# KiCad board yeti.kicad_pcb (continued)
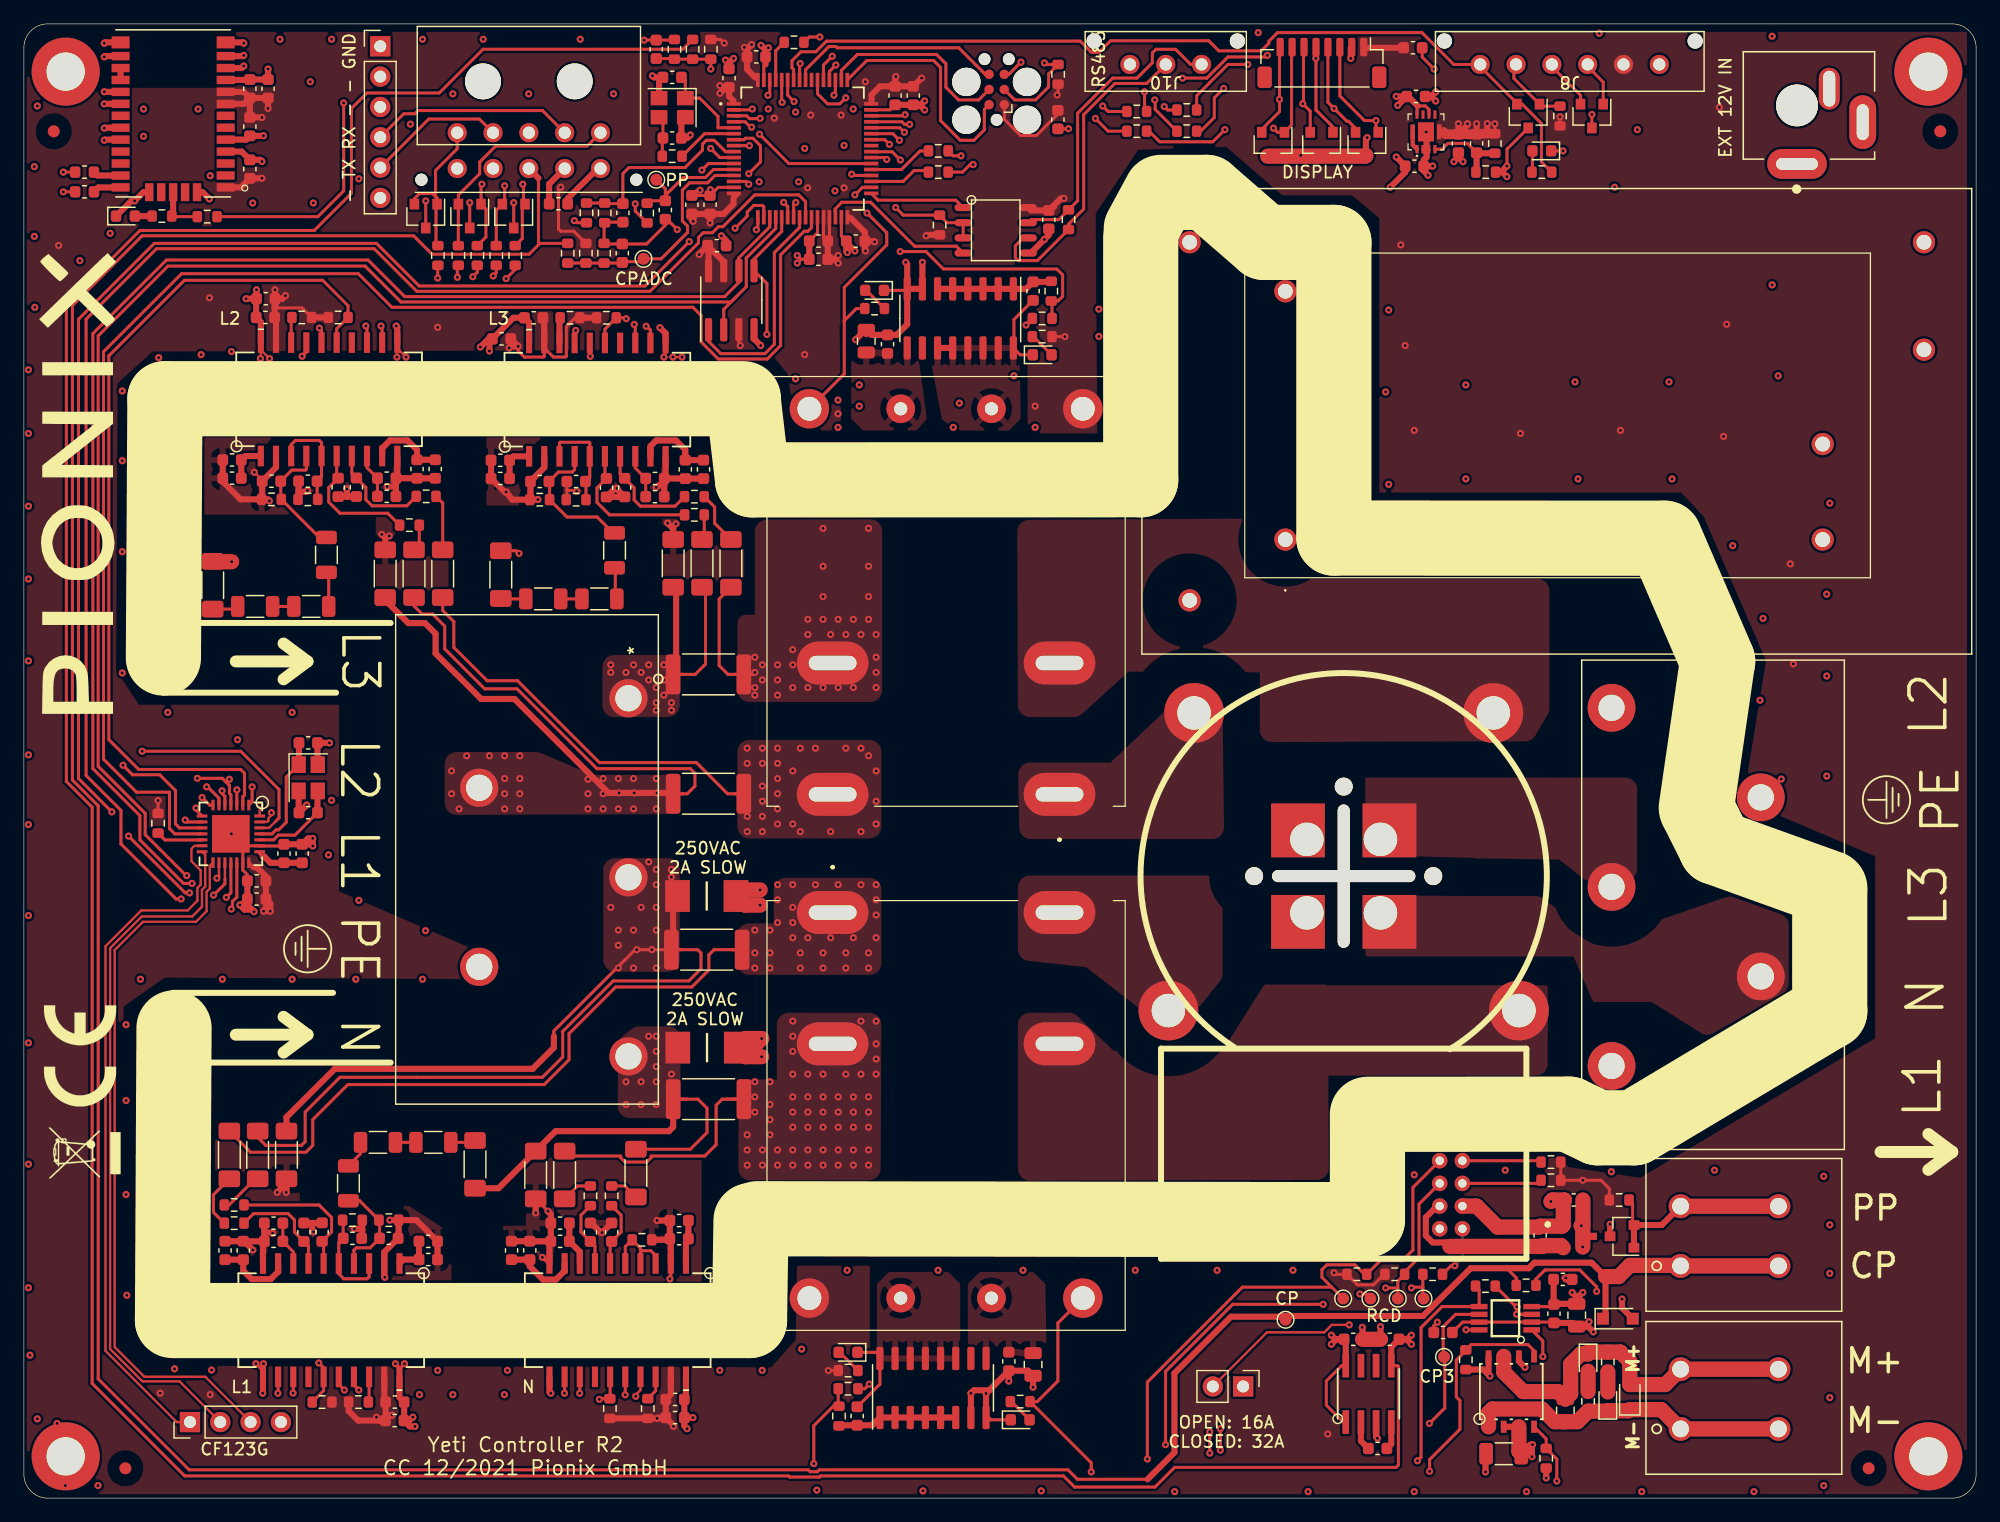
[diagram p0: board, top side]
## Routing (per net, layer and track width the routed paths; a pad name or vN(x,y) marks a point on that pad's centre or on a via; arc(x,y) is an arc through that point) (continued)
/CAM-M8Q/1PPS: length 4.2
  1_F_TOP_Signal_Pwr w0.254: R13.2 12.43,107.35 R16.2
  1_F_TOP_Signal_Pwr w0.508: R13.2 12.5,107.52 U4.29
/CAM-M8Q/RF: length 1
  1_F_TOP_Signal_Pwr w0.508: U4.17 U4.16
/CAM-M8Q/RXD: length 68.6
  1_F_TOP_Signal_Pwr w0.254: v1(63.63,108.54) 63.97,108.2 U16.22 ; FB16.2 v1(3.3,109.43)
  7_Signal_Pwr w0.254: v1(63.63,108.54) 60.56,108.54 57.38,111.72 57.19,111.72 56.68,112.22 56.01,112.22 52.46,115.78 35.89,115.78 30.41,110.29 29.49,110.29 28.62,109.43 16.41,109.43 16.03,109.81 3.68,109.81 v1(3.3,109.43)
/CAM-M8Q/TXD: length 69.5
  1_F_TOP_Signal_Pwr w0.254: FB17.1 v1(3.3,111.08) ; v1(64.64,108.54) 64.47,108.36 U16.23
  7_Signal_Pwr w0.254: v1(3.3,111.08) 4.85,112.63 31.78,112.63 36.01,116.86 52,116.86 56.2,112.67 56.87,112.67 57.38,112.16 61.02,112.16 v1(64.64,108.54)
/CP_EVSE: length 304.8
  1_F_TOP_Signal_Pwr w0.254: 43.1,104.99 43.22,105.11 R74.2 ; 43.1,104.99 43.1,110.58 ; 43.1,104.99 42.31,104.2 34.18,104.2 32.64,105.75 9.9,105.75 4.06,99.91 4.06,60.16 6.22,58 6.22,9.99 13.84,2.37 65.7,2.37 65.85,2.21 66.45,2.21 66.61,2.37 87.44,2.37 88.23,1.58 94.11,1.58 ; TP1.1 105.41,15.2 ; 124.18,19.26 124.98,18.46 R72.1
  1_F_TOP_Signal_Pwr w0.508: D14.1 132.46,15.25 132.46,18.56 131.3,19.72 126.51,19.72 126.05,19.26 121.17,19.26 117.17,15.26 105.47,15.26 105.41,15.2 101.09,15.2 96.36,10.47 96.36,3.83 94.11,1.58 ; 43.1,110.58 U1.3
  1_F_TOP_Signal_Pwr w1.27: J2.2 J2.1 138.71,19.5 134.49,19.5 133.56,18.56 132.46,18.56
/Display/DISPLAY_DC: length 29.1
  1_F_TOP_Signal_Pwr w0.254: v1(94.71,117.13) 94.75,117.09 94.75,116.33 96.57,114.51 ; v1(73.75,114.42) 73.37,114.8 U16.44
  5_Signal_Pwr w0.254: v1(94.71,117.13) 92.19,117.13 88.63,113.57 74.59,113.57 v1(73.75,114.42)
/Display/DISPLAY_RESET: length 23
  1_F_TOP_Signal_Pwr w0.254: R11.2 90.81,114.51 v1(89.74,115.57) ; v1(74.18,115.08) 73.76,115.08 73.54,115.3 U16.45
  5_Signal_Pwr w0.254: v1(74.18,115.08) 75.16,114.1 88.27,114.1 v1(89.74,115.57)
/Display/GPIO: length 27.8
  1_F_TOP_Signal_Pwr w0.254: U16.43 72.78,114.3 v1(73.33,113.75) ; 96.57,116.29 95.79,116.29 v1(95.5,116.58)
  5_Signal_Pwr w0.254: v1(73.33,113.75) 74.01,113.07 88.88,113.07 92.33,116.51 95.44,116.51 v1(95.5,116.58) 95.5,116.51 95.49,116.5
/Display/SPI_CS: length 22.4
  1_F_TOP_Signal_Pwr w0.254: v1(73.81,115.89) 73.71,115.8 U16.46 ; v1(90.35,116.62) 90.81,116.16 R12.2
  5_Signal_Pwr w0.254: v1(90.35,116.62) 90.04,116.92 77,116.92 75.74,115.67 74.41,115.67 74.19,115.89 v1(73.81,115.89)
/Display/SPI_MOSI: length 5.4
  1_F_TOP_Signal_Pwr w0.254: U16.37 73.5,111.3 75.06,112.86 R8.2
/Display/SPI_SCK: length 5.2
  1_F_TOP_Signal_Pwr w0.254: U16.35 73.64,110.3 74.55,111.21 75.63,111.21 R7.2
/EVSE Charging port/CP_3V3: length 280.2
  1_F_TOP_Signal_Pwr w0.254: v1(60.76,113.3) U16.8 ; v1(117.71,6.26) 119,7.54 119,11.77 TP5.1 118.86,11.91 118.86,14.35 119.9,15.4 121.88,15.4
  5_Signal_Pwr w0.254: v1(60.76,113.3) 59.06,111.6 59.06,107.5 56.42,104.86 56.2,104.86 55.57,104.22 35.43,104.22 33.13,101.93 11.26,101.93 5.6,96.27 5.6,11.47 12.24,4.83 61.96,4.83 64.26,7.13 94.01,7.13 96.23,4.91 100.62,4.91 102.01,6.31 117.67,6.31 v1(117.71,6.26)
/EVSE Charging port/CP_ENABLE: length 295.8
  1_F_TOP_Signal_Pwr w0.254: U16.62 62.47,117.67 v1(62.32,117.52) ; R71.1 121.88,17.46 U15.5 118.77,16.04 117.01,14.29 117.01,3.43 v1(116.71,3.13)
  5_Signal_Pwr w0.254: v1(116.71,3.13) 116.06,2.48 94.97,2.48 94.64,2.15 91.58,2.15 89.28,4.45 65.37,4.45 63.07,2.15 11.13,2.15 2.93,10.36 2.93,97.38 10.15,104.6 30.86,104.6 33.66,107.4 44.45,107.4 45.47,108.41 50.42,108.41 50.61,108.61 50.61,108.74 50.98,109.1 51.1,109.1 53.59,111.59 53.59,114 56.52,116.92 59.82,116.92 60.41,117.52 v1(62.32,117.52)
/EVSE Charging port/CP_OUT_ADC: length 19.4
  1_F_TOP_Signal_Pwr w0.254: U16.13 57.88,110.8 57.27,110.18 55.76,110.18 55.15,109.58 55.15,106.99 55.58,106.56 55.58,106.03 53.37,103.82 TP6.1 ; 50.07,103.46 45.54,103.46 ; 51.89,103.58 50.18,103.58
/EVSE Charging port/EVSE_PP: length 310.5
  1_F_TOP_Signal_Pwr w0.254: R77.2 134.73,24.67 134.73,22.88 ; R113.1 51.2,107.82 v1(51.2,108.43)
  1_F_TOP_Signal_Pwr w0.508: 134.73,22.88 137.18,22.88 J2.3 ; 134.84,21.09 D8.2
  1_F_TOP_Signal_Pwr w1.27: J2.4 J2.3
  5_Signal_Pwr w0.254: J2.3 132.97,18.67 132.97,13.8 123.19,4.02 116.49,4.02 115.42,2.95 96.45,2.95 96.43,2.92 94.78,2.92 94.45,2.59 91.77,2.59 89.46,4.9 65.19,4.9 62.89,2.6 11.32,2.6 3.37,10.54 3.37,97.19 10.33,104.16 31.3,104.16 33.91,106.76 44.96,106.76 46.11,107.91 50.69,107.91 v1(51.2,108.43)
/EVSE Charging port/L1_IN: length 1.3
  5_Signal_Pwr w0.254: U29.10 107.45,48.45 106.94,47.93
/EVSE Charging port/PP_3V3: length 10.8
  1_F_TOP_Signal_Pwr w0.254: C89.1 52.4,108.68 R113.2 ; C89.1 53.72,109.69 TP7.1 ; C89.1 53.72,109.13 55.22,110.63 57.08,110.63 57.75,111.3 U16.12
/Hi Level Connector/SLEEP: length 32.5
  1_F_TOP_Signal_Pwr w0.254: v1(59.56,106.38) 60.58,107.4 60.58,107.74 61.13,108.29 61.85,108.29 61.97,108.17 U16.18 ; v1(34.66,102.21) 34.66,103.26 R6.2
  5_Signal_Pwr w0.254: v1(59.56,106.38) 59.56,105.94 57.06,103.43 56.2,103.43 55.94,103.69 36.14,103.69 v1(34.66,102.21)
/Low Level Controller/ADC_12V: length 16.7
  1_F_TOP_Signal_Pwr w0.254: R87.1 R86.2 ; 48.69,108.44 C81.1 50.17,110.95 50.67,111.46 55.37,111.46 56.83,112.92 56.83,113.43 57.16,113.75 57.81,113.75 58.76,112.8 U16.9
/Low Level Controller/ADC_N12V: length 14.3
  1_F_TOP_Signal_Pwr w0.254: C82.1 54.43,120.59 R92.1 R90.1 R91.2 v1(57.53,119.72) ; v1(57.52,113.07) 58.28,112.3 U16.10
  7_Signal_Pwr w0.254: v1(57.53,119.72) 57.53,113.08 v1(57.52,113.07)
/Low Level Controller/CFG: length 220.2
  1_F_TOP_Signal_Pwr w0.192: v1(111,14.51) 109.54,14.51 108.91,13.89 104.11,13.89 J11.2
  1_F_TOP_Signal_Pwr w0.254: v1(73.41,112.1) 72.72,112.79 70.98,112.79 U16.40
  5_Signal_Pwr w0.254: v1(111,14.51) 111.55,15.07 116.32,15.07 118.27,17.02 125.66,17.02 131.08,22.44 131.45,22.44 133.1,24.09 135.76,24.09 139.83,28.15 157.74,28.15 157.99,28.41 157.99,77.68 126.49,109.18 113.54,109.18 111.25,111.46 104.14,111.46 101.73,113.88 92.08,113.88 88.39,110.19 75.31,110.19 v1(73.41,112.1)
/Low Level Controller/FRAM_CS: length 18.8
  1_F_TOP_Signal_Pwr w0.254: U16.24 64.97,106.45 62.85,104.33 62.85,96.66 62.07,95.87 58.37,95.87 57.34,96.9 U3.1
/Low Level Controller/GPIO1: length 74.8
  1_F_TOP_Signal_Pwr w0.254: 121.79,120.1 125.03,116.85 D9.2 125.47,116.78 127.1,115.16 127.1,111.94 R93.2 ; J8.1 119.75,120.1 117.09,122.77 104.99,122.77 104.27,122.04 104.27,121.88 103.63,121.24 100.08,121.24 99.23,122.09 91.02,122.09 90.04,121.12 89.41,121.12 88.47,122.05 67.22,122.05 66.33,121.16 65.08,121.16 64.33,120.41 64.33,119.82 64.47,119.68 U16.58
/Low Level Controller/GPIO2: length 69.1
  1_F_TOP_Signal_Pwr w0.254: R1.2 127.11,116.61 D9.1 124.79,118.93 124.79,120.1 ; v1(72.49,113.41) 72.1,113.8 U16.42 ; v1(104.14,120.86) 104.01,120.73 100.84,120.73 99.07,118.96 v1(97.03,118.96)
  5_Signal_Pwr w0.254: v1(104.14,120.86) 104.52,121.24 111.38,121.24 111.4,121.22 123.85,121.22 J8.2
  7_Signal_Pwr w0.254: v1(72.49,113.41) 72.94,112.95 75.95,112.95 77.33,114.34 77.33,119.26 79.42,121.36 88.09,121.36 90.49,118.96 v1(97.03,118.96)
/Low Level Controller/GPIO3: length 69.6
  1_F_TOP_Signal_Pwr w0.254: v1(67.7,120.79) 66.97,120.05 U16.53 ; 127.79,120.1 130.37,117.52 D16.2
  5_Signal_Pwr w0.254: J8.3 126.76,118.89 106.28,118.89 106.02,119.16 102.54,119.16 100.46,121.24 88.39,121.24 87.25,122.39 69.3,122.39 v1(67.7,120.79)
/Low Level Controller/GPIO4: length 71.5
  1_F_TOP_Signal_Pwr w0.254: v1(68,120.05) 67.47,119.52 U16.52 ; D16.1 132.27,118.62 130.79,120.1
  5_Signal_Pwr w0.254: J8.4 129.58,118.72 129.05,118.72 128.78,118.45 106.1,118.45 105.83,118.71 97.66,118.71 97.29,118.34 96.77,118.34 96.65,118.46 90.54,118.46 87.2,121.8 69.75,121.8 v1(68,120.05)
/Low Level Controller/LOCK_F: length 301.6
  1_F_TOP_Signal_Pwr w0.254: v1(128.38,1.43) 128.38,3.27 127.49,4.16 127.49,4.96 U25.4 ; U16.59 63.97,117.53 v1(64.5,117)
  5_Signal_Pwr w0.254: v1(128.38,1.43) 128.02,1.07 127.24,1.07 127.05,1.25 91.21,1.25 88.91,3.56 65.74,3.56 63.44,1.26 10.76,1.26 2.03,9.99 2.03,97.75 9.78,105.49 29.89,105.49 29.89,106.03 33.27,109.41 33.81,109.41 35.17,110.78 35.17,111.85 36.19,112.86 49.4,112.86 57.12,120.58 57.75,120.58 58.79,119.54 61.87,119.54 64.44,116.97 64.47,116.97 v1(64.5,117)
/Low Level Controller/LOCK_R: length 300.2
  1_F_TOP_Signal_Pwr w0.254: v1(117.73,2.24) 117.73,3.23 120.27,5.77 120.27,8.18 119.97,8.48 119.97,11.56 120.76,12.35 R99.1 121.21,12.86 125.97,12.86 126.48,12.35 U25.5 ; v1(63.5,116.92) 63.47,116.96 U16.60
  5_Signal_Pwr w0.254: v1(63.5,116.92) 63.5,117.27 61.69,119.08 57.28,119.08 52.83,114.64 52.83,113.33 48.55,109.05 45.34,109.05 44.2,107.91 33.4,107.91 30.54,105.05 9.96,105.05 2.48,97.56 2.48,10.17 10.95,1.71 63.26,1.71 65.56,4 89.09,4 91.4,1.7 96.4,1.7 96.73,2.03 117.09,2.03 117.31,2.24 v1(117.73,2.24)
/Low Level Controller/METER_CS: length 126.8
  1_F_TOP_Signal_Pwr w0.2: U10.16 16.34,52.11
  1_F_TOP_Signal_Pwr w0.254: v1(16.16,51.93) 16.16,51.93 16.34,52.11 ; v1(13.17,50.19) 12.74,50.19 8.13,54.81 8.13,57.61 5.21,60.54 5.21,98.76 11.11,104.67 29.34,104.67 32.91,101.1 52.44,101.1 56.5,105.15 56.5,105.61 56.89,106 57.66,106 58.17,106.51 58.55,106.51 61.22,109.18 64.9,109.18 65.47,108.61 U16.25
  7_Signal_Pwr w0.254: v1(16.16,51.93) 14.12,49.89 13.47,49.89 v1(13.17,50.19)
/Low Level Controller/MIRROR_L1: length 285.4
  1_F_TOP_Signal_Pwr w0.254: v1(89.39,2.19) 89.39,2.96 R32.2 84.87,8.09 86.6,9.81 86.6,14.67 K2.6 ; v1(68.84,117.31) 68.33,116.8 67.31,116.8 66.47,117.64 U16.54
  5_Signal_Pwr w0.254: v1(68.84,117.31) 68.84,117.9 64.14,122.59 57.48,122.59 51.76,116.86 36.49,116.86 31.02,111.39 31.02,110.9 30.41,110.29 29.49,110.29 25.7,106.51 9.02,106.51 1.13,98.62 1.13,9.37 10.13,0.37 64.32,0.37 66.15,2.19 v1(89.39,2.19)
/Low Level Controller/MIRROR_L2L3: length 25.6
  1_F_TOP_Signal_Pwr w0.254: U16.34 70.22,109.8 v1(69.6,109.18) ; K1.6 68.71,94.18 68.71,98.51 ; 68.71,98.51 68.71,101.43 72.26,104.99 72.26,106 v1(70.61,107.65) ; 68.71,98.51 68.71,98.64 69.72,99.65 R31.2
  5_Signal_Pwr w0.254: v1(69.6,109.18) 70.61,108.16 v1(70.61,107.65)
/Low Level Controller/NRESET: length 74.8
  1_F_TOP_Signal_Pwr w0.254: R3.2 36.31,103.19 v1(36.31,102.27) ; J13.3 82.98,117.13 84.73,117.13 85.82,118.22 85.82,119.3 R83.1 85.6,120.1 v1(85.47,120.23) ; v1(60.71,110.95) 61.69,111.94 61.69,113.29 61.06,113.92 60.44,113.92 60.32,113.8 U16.7
  5_Signal_Pwr w0.254: v1(85.47,120.23) 84.96,120.23 83.83,121.36 76.57,121.36 70.23,115.02 64.77,115.02 v1(60.71,110.95) 59.94,110.19 59.94,109.94 60.2,109.69 60.2,105.94 57.24,102.98 41.14,102.98 40.88,103.24 37.28,103.24 v1(36.31,102.27)
/Low Level Controller/PM_IRQ0: length 123.6
  1_F_TOP_Signal_Pwr w0.254: U16.11 57.33,111.8 v1(56.78,111.25) ; v1(7.37,57.49) 4.57,60.28 4.57,98.76 10.93,105.11 29.53,105.11 33.1,101.54 52.01,101.54 v1(55.73,105.26) ; U10.10 13.03,56.15 12.7,56.47 12.7,59.27 11.37,60.6 9.1,60.6 v1(8.3,61.39)
  7_Signal_Pwr w0.254: v1(8.3,61.39) 7.37,60.46 v1(7.37,57.49) ; v1(55.73,105.26) 55.41,105.57 55.41,109.88 v1(56.78,111.25)
/Low Level Controller/PM_IRQ1: length 122.9
  1_F_TOP_Signal_Pwr w0.254: U10.11 12.64,55.65 12.19,56.09 12.19,59.14 9.43,59.14 6.67,61.9 6.67,96.03 13.21,102.57 28,102.57 30.82,99.76 56.03,99.76 56.72,99.06 56.72,96.86 58.15,95.43 62.25,95.43 63.37,96.55 63.37,104.15 65.36,106.13 65.66,106.13 65.97,106.43 U16.26
/Low Level Controller/POWER_SWITCH_L1: length 245.6
  1_F_TOP_Signal_Pwr w0.254: v1(67.84,117.53) 67.97,117.66 U16.51 ; v1(66.15,2.89) 66.15,6.07 67.79,7.7 R27.2 68.2,7.77 R29.1
  5_Signal_Pwr w0.254: v1(66.15,2.89) 64.07,0.81 10.45,0.81 1.57,9.69 1.57,98.18 9.4,106 28.66,106 32,109.35 32,111.75 36.29,116.03 51.56,116.03 56.8,121.27 59.72,121.27 60.2,120.8 65.31,120.8 67.84,118.27 v1(67.84,117.53)
/Low Level Controller/POWER_SWITCH_L2L3: length 28.4
  1_F_TOP_Signal_Pwr w0.254: U16.39 72.1,112.3 v1(72.26,112.14) ; R114.1 86.11,100.22 R28.2 86.62,100.29 87,100.67 87,102.48 86.5,102.97 77.01,102.97 75.55,104.43 v1(73.39,104.43)
  5_Signal_Pwr w0.254: v1(72.26,112.14) 72.26,105.56 v1(73.39,104.43)
/Low Level Controller/SWCLK: length 16.8
  1_F_TOP_Signal_Pwr w0.254: U16.50 68.47,119.6 69.8,120.94 76.44,120.94 77.22,120.16 77.22,118.19 78.27,117.13 79.97,117.13 J13.4
/Low Level Controller/SWDIO: length 20.2
  1_F_TOP_Signal_Pwr w0.254: U16.49 70.6,120.43 76.19,120.43 76.77,119.84 76.77,115.39 78.42,113.75 79.57,113.75 80.44,114.63 80.44,116.34 J13.2
/Low Level Controller/SWO: length 18
  1_F_TOP_Signal_Pwr w0.254: J13.6 80.52,119.27 78.3,121.5 68.11,121.5 68,121.61 67.42,121.61 65.47,119.65 U16.56
/Low Level Controller/UART2_RX: length 25.9
  1_F_TOP_Signal_Pwr w0.254: R4.2 41.15,102.93 v1(40.38,102.16) ; v1(61.34,106.26) 61.47,106.38 U16.17
  5_Signal_Pwr w0.254: v1(40.38,102.16) 40.68,101.86 57.71,101.86 61.34,105.49 v1(61.34,106.26)
/Low Level Controller/UART2_TX: length 29.7
  1_F_TOP_Signal_Pwr w0.254: v1(60.71,110.07) 60.47,110.3 U16.14 ; v1(39.31,102.38) 39.56,102.64 R5.2
  5_Signal_Pwr w0.254: v1(39.31,102.38) 39.72,102.8 40.7,102.8 40.96,102.54 57.62,102.54 60.71,105.62 v1(60.71,110.07)
/Low Level Controller/UART3_DE: length 14
  1_F_TOP_Signal_Pwr w0.254: U20.3 U20.2 77.33,106.84 R81.1 73.65,107.48 v1(73.01,108.11) ; v1(69.33,110.91) 69.43,110.8 U16.36
  7_Signal_Pwr w0.254: v1(69.33,110.91) 70.22,110.91 v1(73.01,108.11)
/Low Level Controller/UART3_RX: length 8.2
  1_F_TOP_Signal_Pwr w0.254: U16.33 71.53,108.73 78.05,108.73 U20.1
/Low Level Controller/UART3_TX: length 13
  1_F_TOP_Signal_Pwr w0.254: U20.4 78.09,104.88 74.6,104.88 70.91,108.56 68.5,108.56 67.94,107.99 67.94,107.74
/MISO: length 123.9
  1_F_TOP_Signal_Pwr w0.254: 59.63,100.6 60.5,101.48 60.5,103.89 62.97,106.36 U16.20 ; 59.63,100.6 58.61,99.59 U3.2 ; 59.63,100.6 59.23,100.2 31.58,100.2 28.58,103.21 12.07,103.21 6.22,97.36 6.22,61.3 10.16,57.36 10.16,55.58 13.59,52.15 v1(13.64,52.15) ; v1(16.95,50.33) 17.34,50.71 U10.18
  5_Signal_Pwr w0.254: v1(13.64,52.15) 15,52.15 15.84,51.31 15.97,51.31 v1(16.95,50.33)
/MOSI: length 126.5
  1_F_TOP_Signal_Pwr w0.254: U16.21 63.47,106.11 61.15,103.8 U3.5 62.23,101.75 v1(62.23,97.48) ; v1(8.76,55.46) 13.52,50.7 v1(13.87,50.7) ; v1(17.37,49.35) 17.47,49.45 17.47,49.98 17.84,50.35 U10.19
  5_Signal_Pwr w0.254: v1(13.87,50.7) 15.22,49.35 v1(17.37,49.35)
  7_Signal_Pwr w0.254: v1(62.23,97.48) 54.71,97.48 51.61,100.59 27.61,100.59 27.52,100.67 23.88,100.67 22.98,99.77 12.19,99.77 5.89,93.47 5.89,68 6.73,67.15 6.73,57.06 8.34,55.46 v1(8.76,55.46)
/Power Meter/AFE_A/DATA: length 74.7
  1_F_TOP_Signal_Pwr w0.192: U10.28 v1(19.75,58.06)
  1_F_TOP_Signal_Pwr w0.254: R44.1 25.1,9 U11.15 25.1,10.92 v1(24.7,11.32)
  7_Signal_Pwr w0.254: v1(24.7,11.32) 23.51,10.13 18.46,10.13 18.2,9.86 9.91,9.86 7.94,11.83 7.94,39.96 8.3,40.32 8.3,47.73 13.34,52.77 13.41,52.77 18.7,58.06 v1(19.75,58.06)
/Power Meter/AFE_A/IM: length 12
  1_F_TOP_Signal_Pwr w0.254: U11.6 25.1,21.38 C10.2 25.77,22.3 25.77,23.51 24.72,24.56 R41.2
/Power Meter/AFE_A/IP: length 8.9
  1_F_TOP_Signal_Pwr w0.254: R40.2 19.23,23.83 22.14,23.83 22.66,23.31 22.66,22.29 C9.1 23.83,21.12 U11.7
/Power Meter/AFE_A/VM: length 8.6
  1_F_TOP_Signal_Pwr w0.254: R43.1 26.74,23.24 C12.2 26.37,21.4 U11.5 26.37,18.8 26.8,18.37 28.74,18.37 28.91,18.54 U11.3
/Power Meter/AFE_A/VT: length 77.4
  1_F_TOP_Signal_Pwr w0.192: v1(20.73,57.42) 20.73,57.21 20.48,56.96 20.48,56.74 20.39,56.65 U10.27
  1_F_TOP_Signal_Pwr w0.254: v1(28.05,9.05) 27.64,9.46 U11.17
  5_Signal_Pwr w0.254: v1(20.73,57.42) 17.33,57.42 7.99,48.07 7.99,40.03 7.9,39.95 7.9,39.37 7.99,39.29 7.99,33.68 7.9,33.6 7.9,33.02 7.99,32.94 7.99,25.81 7.9,25.72 7.9,25.15 7.99,25.06 7.99,17.43 7.9,17.34 7.9,16.77 7.99,16.68 7.99,11.4 9.46,9.93 27.18,9.93 v1(28.05,9.05)
/Power Meter/AFE_B/DATA: length 74.4
  1_F_TOP_Signal_Pwr w0.254: U13.15 26.2,97.96 R59.1 27.15,99.9 25.03,102.02 13.45,102.02 7.11,95.68 7.11,63.55 9.62,61.04 18.16,61.04 18.48,60.73 18.48,58.9 18.34,58.76 U10.2
/Power Meter/AFE_B/IM: length 11
  1_F_TOP_Signal_Pwr w0.254: U13.6 26.2,85.57 C32.2 25.53,84.65 25.53,83.45 26.47,82.51 30.47,82.51 R56.2
/Power Meter/AFE_B/IP: length 8.9
  1_F_TOP_Signal_Pwr w0.254: U13.7 27.47,85.84 C31.1 28.64,84.66 28.64,83.65 29.16,83.13 32.07,83.13 R55.2
/Power Meter/AFE_B/VM: length 8.6
  1_F_TOP_Signal_Pwr w0.254: R58.1 24.56,83.72 C34.2 24.93,85.56 U13.5 24.93,88.41 24.74,88.6 22.73,88.6 22.39,88.25 U13.3
/Power Meter/AFE_B/VT: length 62.6
  1_F_TOP_Signal_Pwr w0.254: U10.1 19.11,58.34 v1(19.11,59.58) ; v1(23.31,95.65) 23.66,96 U13.17
  5_Signal_Pwr w0.254: v1(19.11,59.58) 19.11,60.09 17.46,61.74 13.59,61.74 7.56,67.77 7.56,95.02 9.21,96.67 22.92,96.67 23.31,96.29 v1(23.31,95.65)
/Power Meter/AFE_C/DATA: length 89.6
  1_F_TOP_Signal_Pwr w0.254: U14.15 48.66,97.93 R69.1 50.37,98.88 v1(50.44,98.8) ; U10.7 15.56,58.06 v1(14.92,58.69)
  7_Signal_Pwr w0.254: v1(50.44,98.8) 49.79,99.46 28.51,99.46 28,98.95 12,98.95 6.33,93.29 6.33,68.18 7.18,67.34 7.18,66.44 v1(14.92,58.69)
/Power Meter/AFE_C/IM: length 12
  1_F_TOP_Signal_Pwr w0.254: R66.2 49.04,82.37 48,83.42 48,84.62 C44.2 48.66,85.55 U14.6
/Power Meter/AFE_C/IP: length 8.9
  1_F_TOP_Signal_Pwr w0.254: U14.7 49.93,85.81 C43.1 51.11,84.64 51.11,83.62 51.63,83.1 54.54,83.1 R65.2
/Power Meter/AFE_C/VM: length 8.6
  1_F_TOP_Signal_Pwr w0.254: U14.3 44.85,88.39 44.92,88.45 47.33,88.45 47.39,88.39 U14.5 47.39,85.53 C46.2 47.08,85.11 R68.1
/Power Meter/AFE_C/VT: length 85.3
  1_F_TOP_Signal_Pwr w0.254: U10.6 16.34,58.64 15.39,59.58 v1(15.3,59.58) ; U14.17 46.12,97.74 v1(46.21,97.83)
  5_Signal_Pwr w0.254: v1(46.21,97.83) 45.09,98.95 28.06,98.95 27.84,98.73 26.81,98.73 26.59,98.95 9.97,98.95 6.49,95.48 6.49,67 13.91,59.58 v1(15.3,59.58)
/Power Meter/CF1: length 58.5
  1_F_TOP_Signal_Pwr w0.192: U10.13 14.29,54.65 14.03,54.39 14.03,53.36 14.8,52.59 14.8,51.39 14.53,51.12 14.53,50.05 13.72,49.23 9.84,49.23 6.84,46.23 6.84,12.33 12.8,6.37 J5.1
/Power Meter/CF2: length 59.3
  1_F_TOP_Signal_Pwr w0.192: U10.14 15.19,53.88 15.19,51.23 14.92,50.96 14.92,49.54 14.1,48.72 9.87,48.72 7.22,46.07 7.22,12.49 9.93,9.78 13.04,9.78 J5.2
/Power Meter/CF3: length 60.6
  1_F_TOP_Signal_Pwr w0.192: J5.3 15.19,10.17 10.09,10.17 7.61,12.65 7.61,45.92 9.97,48.28 14.42,48.28 15.3,49.16 15.3,50.8 15.57,51.07 15.57,52.97 U10.15
/Power Meter/CLKOUT: length 189.8
  1_F_TOP_Signal_Pwr w0.254: U13.13 28.74,98.1 v1(28.64,98.19) ; U11.13 22.56,8.82 v1(22.54,8.8) ; 16.96,59.96 17.22,59.7 17.22,59.04 17.34,58.92 U10.4 ; 16.96,59.96 v1(17.21,60.22) ; 16.96,59.96 16.62,60.3 v1(14.53,60.3) ; v1(51.12,98.32) 51.2,98.23 U14.13 ; U12.13 46.56,8.8 v1(46.55,8.78)
  7_Signal_Pwr w0.254: v1(17.21,60.22) 17.87,60.22 18.46,59.63 18.46,59.04 12.99,53.57 12.88,53.57 12.24,52.93 12.24,52.82 7.49,48.07 7.49,11.65 9.72,9.42 18.38,9.42 18.4,9.43 21.29,9.43 ; 21.32,9.43 21.45,9.56 22.21,9.56 ; v1(46.55,8.78) 45.73,9.6 28.55,9.6 28.35,9.8 26.29,9.8 26.06,9.56 22.21,9.56 ; v1(51.12,98.32) 50.82,98.02 50.36,98.02 50.06,98.32 46.89,98.32 46.7,98.51 46.11,98.51 46.07,98.47 35.35,98.47 34.99,98.83 29.27,98.83 v1(28.64,98.19) 27.75,97.3 20,97.3 19.56,97.75 11.44,97.75 6.78,93.09 6.78,68.37 14.53,60.62 v1(14.53,60.3) ; 22.21,9.56 22.54,9.23 v1(22.54,8.8)
/Power Meter/L1_IN: length 92.3
  1_F_TOP_Signal_Pwr w0.254: R36.2 v1(52.59,45.94) v1(51.32,45.94) 51.19,45.94 44.39,39.14 44.39,38.69 ; R36.2 56.43,45.94 56.71,45.66 56.71,44.34 55.69,43.33 49.36,43.33 45.13,39.1 45.13,36.95 43.43,35.25 26.47,35.25 23.56,32.34 23.56,29.87 23.24,29.55 20.26,29.55 19.58,30.23 FB4.2
  1_F_TOP_Signal_Pwr w0.508: 44.39,38.69 44.39,37.74 42.61,35.96 26.04,35.96 21.99,31.92 FB3.2 ; 54.24,45.93 R36.2 ; 54.37,46.77 54.37,49.01
  vias: v1(49.15,49.49) v1(49.78,47.58) v1(49.78,46.31) v1(49.78,44.41) v1(51.06,47.58) v1(51.06,44.41) v1(51.69,49.49) v1(52.33,53.3) v1(52.96,52.66) v1(52.96,51.39) v1(52.96,49.49) v1(52.96,47.58) v1(52.96,44.41) v1(54.23,52.66) v1(54.23,52.03)
/Power Meter/L1_OUT: length 54
  1_F_TOP_Signal_Pwr w0.254: R36.1 R36.1 57.8,45.94 57.37,45.51 57.37,44.24 55.94,42.82 49.56,42.82 45.66,38.92 45.66,36.72 43.58,34.64 27.13,34.64 24.19,31.71 24.19,29.55 23.62,28.98 18.98,28.98 FB2.2
  vias: v1(61.22,47.58) v1(61.22,45.68) v1(61.22,44.41) v1(62.49,47.58) v1(62.49,45.68) v1(62.49,44.41) v1(63.12,51.39) v1(63.12,50.12) v1(63.12,48.22) v1(64.39,51.39) v1(64.39,49.49) v1(64.39,48.22) v1(64.39,46.95) v1(65.03,45.68) v1(65.03,44.41) v1(65.66,46.95) v1(66.29,51.39) v1(66.93,45.68) v1(66.93,44.41) v1(67.56,46.95) v1(68.2,51.39) v1(68.84,45.68) v1(68.84,44.41) v1(69.47,46.95) v1(70.1,51.39) v1(70.74,45.68) v1(70.74,44.41) v1(71.38,51.39) v1(71.38,50.12) v1(71.38,48.85) v1(71.38,46.95)
/Power Meter/L2_IN: length 67.3
  1_F_TOP_Signal_Pwr w0.254: FB11.2 32.67,74.74 33.36,74.06 34.23,74.06 35.24,73.05 35.24,71.14 38.58,67.8 41.3,67.8 47.99,61.11 48.07,61.11 48.07,61.11 55.82,61.11 56.2,60.73 56.2,59.65 55.56,59.01 R51.2 53.47,59.01 53.4,59.08
  1_F_TOP_Signal_Pwr w0.508: R51.2 54.3,59.08 v1(53.02,59.08) v1(51.12,59.08) v1(49.85,59.08) 48.96,59.08 41.09,66.95 38.29,66.95 34.48,70.76 34.48,72.41 33.59,73.3 32.2,73.3 30.26,75.24 FB10.2
  vias: v1(35.81,60.92) v1(35.81,59.01) v1(36.45,57.74) v1(37.08,62.19) v1(38.99,62.19) v1(40.26,62.19) v1(40.26,60.28) v1(40.26,59.01) v1(40.26,57.74) v1(41.53,62.19) v1(41.53,60.28) v1(41.53,59.01) v1(41.53,57.74) v1(47.25,60.22) v1(47.25,59.01) v1(47.25,57.74) v1(48.52,60.28) v1(48.52,59.01) v1(48.52,57.74) v1(49.78,60.28) v1(49.78,57.74) v1(51.06,60.28) v1(51.06,57.74) v1(52.96,60.28) v1(52.96,57.74)
/Power Meter/L2_OUT: length 33.9
  1_F_TOP_Signal_Pwr w0.254: R51.1 R51.1 58.94,59.01 56.33,61.62 48.2,61.62 41.34,68.47 38.8,68.47 36.01,71.27 36.01,73.43 35.07,74.36 FB9.2
  vias: v1(60.58,62.82) v1(60.58,61.55) v1(60.58,57.11) v1(60.58,55.84) v1(61.85,62.82) v1(61.85,61.55) v1(61.85,59.65) v1(61.85,58.38) v1(61.85,57.11) v1(61.85,55.84) v1(63.12,62.82) v1(63.12,61.55) v1(63.12,60.28) v1(63.12,59.01) v1(63.12,57.74) v1(63.12,56.47) v1(64.39,60.92) v1(64.39,56.47) v1(65.03,62.82) v1(65.03,55.84) v1(66.29,62.82) v1(67.56,55.84) v1(68.84,62.82) v1(70.1,62.82) v1(70.1,55.84) v1(70.74,62.19) v1(71.38,60.92) v1(71.38,58.38) v1(71.38,56.47)
/Power Meter/L3_IN: length 17
  1_F_TOP_Signal_Pwr w0.254: R61.2 R61.2 56.22,69.01 57.09,69.87 57.09,76.01 FB15.2
  1_F_TOP_Signal_Pwr w0.508: 54.63,69.01 54.63,76.06 FB14.2
  vias: v1(49.15,69.81) v1(49.15,69.17) v1(50.42,69.17) v1(51.06,69.81) v1(51.69,69.17) v1(52.33,69.81) v1(52.33,68.54) v1(52.96,67.9) v1(52.96,66.63) v1(52.96,66) v1(53.59,69.81) v1(53.59,68.54) v1(53.59,67.27) v1(54.23,66.63) v1(54.23,66)
/Power Meter/L3_OUT: length 10.3
  1_F_TOP_Signal_Pwr w0.254: v1(61.22,69.17) 61.05,69.01 R61.1 58.97,69.01 58.23,69.74 58.23,75.32 FB13.2
  vias: v1(61.22,70.44) v1(61.22,67.9) v1(61.22,67.27) v1(61.85,69.81) v1(61.85,68.54) v1(63.12,69.81) v1(63.12,68.54) v1(63.12,67.27) v1(64.39,71.08) v1(64.39,69.81) v1(64.39,67.9) v1(65.66,73.62) v1(65.66,72.35) v1(65.66,67.9) v1(66.93,81.24) v1(66.93,78.06) v1(66.93,75.52) v1(66.93,73.62) v1(66.93,67.9) v1(67.56,72.35) v1(68.2,73.62) v1(68.2,67.9) v1(68.84,72.35) v1(69.47,73.62) v1(69.47,67.9) v1(70.1,72.35) v1(70.74,81.24) v1(70.74,78.06) v1(70.74,75.52) v1(70.74,73.62) v1(71.38,72.35) v1(71.38,70.44) v1(71.38,69.17) v1(71.38,67.9)
/Power Meter/N_IN: length 107.3
  1_F_TOP_Signal_Pwr w0.254: v1(41.47,79.14) 41.24,79.36 40.2,79.36 ; 54.38,33.42 55.56,33.42 ; 55.56,33.42 56.45,33.42 57.21,32.66 57.21,30.63 55.82,29.23 FB7.2 ; 55.56,33.42 55.18,33.42
  1_F_TOP_Signal_Pwr w0.508: 54.38,33.42 54.38,31.09 54.02,30.74 44.53,30.74 FB6.2 39.75,25.96 FB1.2
  1_F_TOP_Signal_Pwr w1.27: v1(17.4,78.44) 15.84,78.44 FB8.2
  7_Signal_Pwr w1.27: v1(17.4,78.44) 17.4,77.55 18.03,76.92 41.4,76.92 41.47,76.86 ; 41.47,76.86 v1(41.47,79.14) ; 41.47,76.86 41.47,68.35 44.32,65.49 44.32,50.63 46.86,48.09 46.86,40.78 J1.5
  vias: v1(50.42,34.88) v1(50.42,32.98) v1(51.69,34.88) v1(51.69,32.98) v1(52.33,38.69) v1(52.96,38.69) v1(52.96,37.42) v1(52.96,36.15) v1(52.96,34.88) v1(52.96,32.98) v1(54.23,35.52)
/Power Meter/N_OUT: length 20.9
  1_F_TOP_Signal_Pwr w0.254: 58.87,33.42 58.48,33.42 57.98,32.91 57.98,29.61 57.02,28.66 52.53,28.66 52.53,28.52 52.17,28.15 50.35,28.15 49.98,28.52 49.98,28.66 45.7,28.66 FB5.2 ; 58.87,33.42 R46.1 ; 58.87,33.42 59.75,33.42
  1_F_TOP_Signal_Pwr w3: 67.48,37.81 K2.2
  vias: v1(60.58,30.44) v1(60.58,29.17) v1(60.58,27.9) v1(61.22,34.88) v1(61.22,33.61) v1(61.22,32.34) v1(61.85,29.17) v1(61.85,27.9) v1(62.49,34.88) v1(62.49,32.98) v1(62.49,31.71) v1(62.49,30.44) v1(63.12,29.17) v1(63.12,27.9) v1(64.39,39.96) v1(64.39,38.69) v1(64.39,37.42) v1(64.39,35.52) v1(64.39,33.61) v1(64.39,32.34) v1(64.39,31.07) v1(64.39,29.17) v1(64.39,27.9) v1(65.66,35.52) v1(65.66,33.61) v1(65.66,32.34) v1(65.66,31.07) v1(65.66,29.17) v1(65.66,27.9) v1(66.93,35.52) v1(66.93,33.61) v1(66.93,32.34) v1(66.93,31.07) v1(66.93,29.17) v1(66.93,27.9) v1(68.2,33.61) v1(68.2,32.34) v1(68.2,31.07) v1(68.2,29.17) v1(68.2,27.9) v1(68.84,35.52) v1(69.47,33.61) v1(69.47,32.34) v1(69.47,31.07) v1(69.47,29.17) v1(69.47,27.9) v1(70.1,39.96) v1(70.1,35.52) v1(70.74,33.61) v1(70.74,32.34) v1(70.74,31.07) v1(70.74,29.17) v1(70.74,27.9) v1(71.38,39.96) v1(71.38,38.06) v1(71.38,36.79) v1(71.38,35.52)